# Allegro board MM851_V1.0_180330.brd (continued)
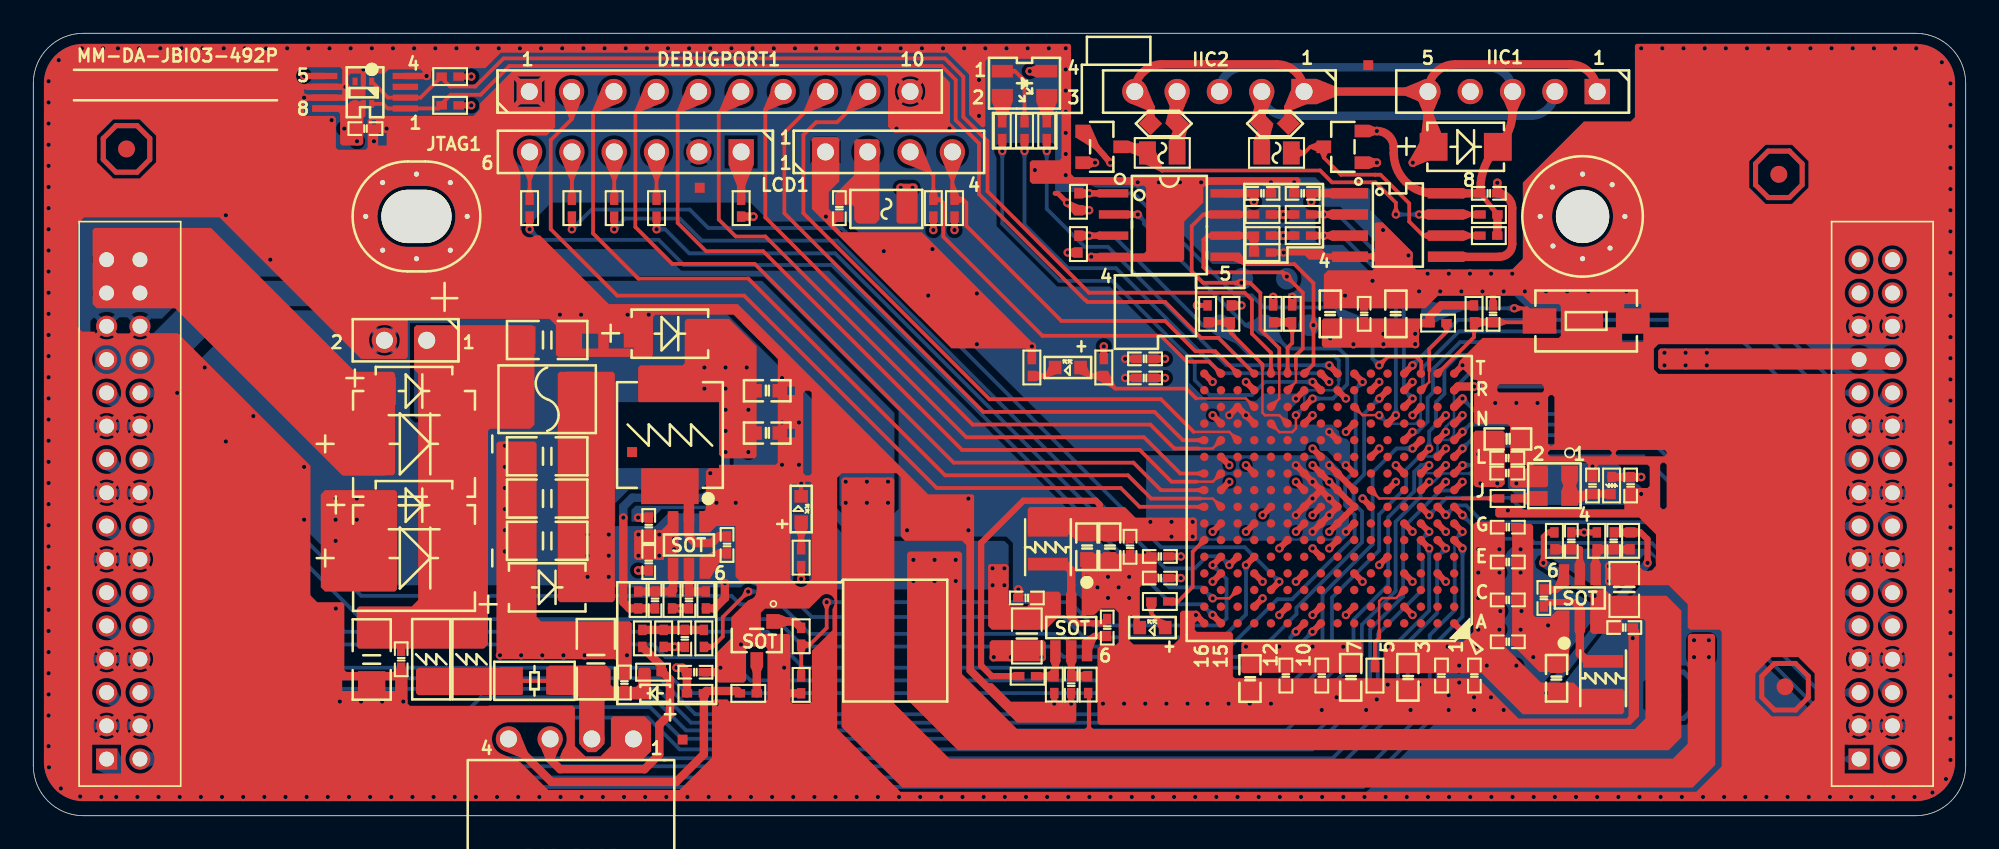
[diagram p0: board, top side]
## Routing (per net, layer and track width the routed paths; a pad name or vN(x,y) marks a point on that pad's centre or on a via; arc(x,y) is an arc through that point) (continued)
FPGA_DQ2: length 18.9
  TOP w0.152: U1.P12 74.79,25.06 74.79,26.84
  TOP w0.229: 74.79,26.84 74.79,28.08 73.66,29.21 73.66,31.4 73.04,32.01 v1(72.52,32.01) 70.22,32.01 69.54,32.7 69.54,35.42 70.24,36.12 U5.7 R28.2
FPGA_HSWAP: length 5.9
  TOP w0.152: U1.C4 81.81,13.07 80.97,13.07 80.79,12.89 80.79,11.11
  TOP w0.229: R9.2 80.54,10.42 80.79,10.67 80.79,11.11
FPGA_I2C_SCL: length 16.3
  TOP w0.229: R17.1 v1(77.48,34.85) U4.3
  TOP w0.381: U1.N5 v1(81.79,24.06)
  BOTTOM w0.229: v1(77.48,34.85) 78.56,34.85 81.79,31.62 v1(81.79,24.06)
FPGA_I2C_SDA: length 16.8
  TOP w0.229: U4.2 v1(77.48,36.12) R16.1
  TOP w0.381: U1.P4 v1(82.79,25.06)
  BOTTOM w0.229: v1(77.48,36.12) 78.31,36.12 82.27,32.15 82.27,25.58 v1(82.79,25.06)
FPGA_INIT: length 4.7
  TOP w0.152: 83.79,26.75 83.79,26.06 U1.R3
  TOP w0.229: R8.2 84.84,29.07 83.79,28.03 83.79,26.75
FPGA_M0: length 4.3
  TOP w0.229: R1.2 R2.2 75.57,28.39 75.29,28.12 U1.T11
FPGA_M1: length 9.4
  TOP w0.152: 73.79,26.83 73.79,24.21 73.94,24.06 74.79,24.06 U1.N11
  TOP w0.229: R5.2 R3.2 71.89,29 73.79,27.11 73.79,26.83
FPGA_PWM: length 34.4
  TOP w0.229: v1(47.62,12.83) 47.62,11.28 46.62,10.27 R22.2 R23.2
  TOP w0.381: U1.E15 v1(70.79,15.06)
  BOTTOM w0.229: v1(47.62,12.83) 62.23,12.83 63.63,11.43 71.21,11.43 71.63,11.85 71.63,14.22 v1(70.79,15.06)
FPGA_SCK: length 18.7
  TOP w0.152: 75.79,26.83 75.79,26.06 U1.R11
  TOP w0.229: R30.2 R29.1 U5.6 70.49,34.85 70.24,34.59 70.24,32.94 70.54,32.64 74.99,32.64 v1(75.25,32.38) 76.21,31.43 76.21,28.07 75.79,27.65 75.79,26.83
FPGA_SDI: length 11.6
  TOP w0.229: U1.T10 76.85,27.11 v1(76.85,29.46) 76.85,31.99 75.71,33.13 72.79,33.13 72.35,33.58 U5.5
ISO_I2C_SCL: length 14.7
  TOP w0.229: PS2.2 76.29,39.81 76.66,40.18 D2.3 77.47,39.53 78.5,38.51 80.55,38.51 80.55,38.5 80.88,38.5 82.59,36.79 82.59,35.69 83.44,34.85 U4.6 R14.1
ISO_I2C_SDA: length 23.8
  TOP w0.229: D1.3 66.51,40.18 PS1.2 66.88,39.62 67.75,38.76 77.25,38.76 77.96,38.05 80.57,38.05 81.79,36.82 v1(81.79,36.12) ; v1(83.19,36.12) U4.7 R15.1
  BOTTOM w0.229: v1(83.19,36.12) v1(81.79,36.12)
LCDSCL: length 25.1
  TOP w0.229: U1.T14 70.95,27.9 69.76,27.9 67.94,29.72 61.72,29.72 56.01,35.43 56.01,36.82 55.82,37.01 R41.1 55.17,37.13 LCD1.4
LCDSDA: length 26.2
  TOP w0.229: LCD1.3 54.03,38.48 R40.1 54.43,37.01 54.63,36.81 54.63,34.78 60.58,28.83 67.69,28.83 69.25,27.27 70.58,27.27 U1.T15
LED_BLUE: length 25.7
  TOP w0.229: R7.1 v1(60.84,39.93)
  TOP w0.381: U1.T8 78.29,26.56 v1(77.8,27.06)
  BOTTOM w0.229: v1(77.8,27.06) 71.62,27.06 64.51,34.17 63.12,34.17 60.84,36.46 v1(60.84,39.93)
LED_FPGA: length 4.9
  TOP w0.229: R12.1 68.72,12.87 69.6,13.75 69.6,15.86 U1.F16
LED_GREEN: length 29.6
  TOP w0.229: R6.1 v1(58.17,39.93)
  TOP w0.381: U1.R9 77.29,25.56 v1(76.79,26.06)
  BOTTOM w0.229: v1(58.17,39.93) 58.17,35.56 61.59,32.13 64.77,32.13 69.72,27.18 69.72,26.16 70.61,25.27 73.15,25.27 73.94,26.06 v1(76.79,26.06)
LED_RED: length 28.1
  TOP w0.229: R4.1 v1(59.5,39.93)
  TOP w0.381: U1.T9 v1(77.79,26.06)
  BOTTOM w0.229: v1(59.5,39.93) 59.5,35.49 62.1,32.89 64.99,32.89 71.3,26.58 77.27,26.58 v1(77.79,26.06)
PROG_B1: length 14.8
  TOP w0.229: U1.T2 86.49,28.75 R34.2 C36.2 90.34,29.64 SW1.2 89.66,30.48 v1(88.9,30.48)
  BOTTOM w0.229: TP7.1 84.2,30.48 v1(88.9,30.48)
RI_0: length 76.6
  TOP w0.381: U1.A10 v1(75.79,11.06)
  BOTTOM w0.229: DATA2.20 8.32,21.4 18.67,11.05 44.07,11.05 46.23,8.89 74.37,8.89 75.46,9.98 75.46,10.72 v1(75.79,11.06)
RI_1: length 93.3
  TOP w0.381: U1.G3 v1(83.79,17.06)
  BOTTOM w0.229: DATA2.9 5.4,10.4 8.78,10.4 14.48,4.7 26.74,4.7 27.93,5.89 36.9,5.89 38.8,3.99 76.76,3.99 80.71,7.94 80.71,10.9 83.39,13.58 83.39,15.32 83.17,15.54 83.17,16.44 v1(83.79,17.06)
RI_2: length 36.3
  TOP w0.381: U1.M4 v1(82.79,23.06)
  BOTTOM w0.229: v1(82.79,23.06) 83.09,23.06 83.7,23.67 83.7,25.1 84.02,25.43 84.02,26.82 85.65,28.45 102.67,28.45 108.71,22.4 110.6,22.4 DATA1.20
RI_3: length 29.5
  TOP w0.381: U1.K1 v1(85.79,21.06)
  BOTTOM w0.229: DATA1.9 108.23,11.4 97.41,22.23 88.14,22.23 86.97,21.06 v1(85.79,21.06)
RO_0: length 96.3
  TOP w0.381: U1.K2 v1(84.79,21.06)
  BOTTOM w0.152: 83.46,20.54 83.49,20.57 84.11,20.57 84.59,21.06 v1(84.79,21.06)
  BOTTOM w0.229: DATA2.11 5.4,12.4 9.95,12.4 16.38,5.97 25.73,5.97 26.87,7.11 37.2,7.11 39.18,5.13 75.23,5.13 79.76,9.65 79.76,11.47 81.78,13.49 81.78,17.65 83.27,19.15 83.27,20.36 83.46,20.54
RO_1: length 91.6
  TOP w0.381: U1.G1 v1(85.79,17.06)
  BOTTOM w0.152: 85.33,15.56 85.31,15.58 85.31,16.57 v1(85.79,17.06)
  BOTTOM w0.229: DATA2.2 10.7,3.4 11.43,2.67 25.77,2.67 26.14,2.3 79.51,2.3 83.83,6.61 83.83,10.84 85.33,12.34 85.33,15.56
RO_2: length 28.9
  TOP w0.381: U1.M1 v1(85.79,23.06)
  BOTTOM w0.229: DATA1.11 108.7,13.4 98.61,23.5 86.23,23.5 v1(85.79,23.06)
RO_3: length 34.8
  TOP w0.381: v1(84.79,18.06) 84.3,18.56 U1.H2
  BOTTOM w0.229: DATA1.2 110.6,4.4 109.01,4.4 108.33,5.08 108.33,6.35 97.05,17.63 87.02,17.63 86.01,18.64 85.38,18.64 v1(84.79,18.06)
TCK: length 45
  TOP w0.152: U1.C14 71.79,13.06 v1(70.79,13.06)
  TOP w0.229: R38.1 v1(37.41,35.23)
  BOTTOM w0.229: v1(70.79,13.06) 70.14,13.72 68.2,13.72 48.13,33.78 39.38,33.78 37.93,35.23 v1(37.41,35.23)
TDI: length 53.7
  TOP w0.229: R36.1 v1(32.33,35.23)
  TOP w0.381: v1(74.79,14.06) 74.29,13.56 U1.C12
  BOTTOM w0.229: v1(32.33,35.23) 33.51,36.41 39.41,36.41 40.51,35.31 48.51,35.31 67.69,16.13 72.72,16.13 v1(74.79,14.06)
TDO: length 47.9
  TOP w0.229: R37.1 v1(34.87,35.23)
  TOP w0.381: v1(71.79,15.06) U1.E14
  BOTTOM w0.229: v1(34.87,35.23) 35.52,35.87 38.8,35.87 40.13,34.54 48.26,34.54 67.94,14.86 69.72,14.86 70.45,15.59 71.26,15.59 v1(71.79,15.06)
TMP_SCL: length 68.9
  TOP w0.229: U2.1 21.29,43.13 U9.2 23.25,43.13 R10.2 24.51,44.31 25.02,43.8 26.54,43.8 28.23,45.49 54.72,45.49 54.99,45.22 55.83,44.39 55.83,41.97 57.28,40.52 57.28,37.51 63.37,31.42 72.72,31.42 73.15,30.99 73.15,28.96 74.29,27.81 U1.T12
TMP_SDA: length 65.1
  TOP w0.229: U1.T13 71.15,28.7 70.1,28.7 67.94,30.86 63.28,30.86 63.16,30.99 63.12,30.99 56.77,37.34 56.77,40.39 55.37,41.78 55.37,44.2 54.53,45.03 28.57,45.03 26.85,43.31 25.05,43.31 24.51,42.76 R11.2 24.32,42.48 U9.1 21.27,42.48 21,42.76 U2.6
TMS: length 52.1
  TOP w0.229: R35.1 v1(29.79,35.23)
  TOP w0.381: U1.A15 v1(70.79,12.06)
  BOTTOM w0.229: v1(70.79,12.06) 70.15,12.7 68.33,12.7 47.94,33.08 39.05,33.08 37.54,34.59 30.43,34.59 v1(29.79,35.23)
UART1_RX: length 30.5
  TOP w0.381: U1.T4 v1(82.79,27.06)
  BOTTOM w0.229: v1(82.79,27.06) 85.53,29.79 104.32,29.79 108.71,25.4 DATA1.23
UART1_TX: length 39.1
  TOP w0.152: v1(80.79,24.06) 79.79,24.06 U1.P7
  BOTTOM w0.152: v1(80.79,24.06) 81.31,23.54 82.96,23.54 83.28,23.86 83.28,25.41 83.42,25.55
  BOTTOM w0.229: DATA1.24 110.6,24.4 108.46,24.4 103.76,29.1 85.59,29.1 83.42,26.93 83.42,25.55
UART2_RX: length 95.2
  TOP w0.381: U1.R5 v1(80.8,25.06)
  BOTTOM w0.229: v1(80.8,25.06) 79.89,24.15 79.89,20.5 79.25,19.86 79.25,18.78 79.76,18.27 79.76,16.43 75.83,12.49 75.83,12.11 73.26,9.55 61.83,9.55 61.21,10.16 46.23,10.16 44.58,11.81 19.68,11.81 7.11,24.38 5.42,24.38 DATA2.23
UART2_TX: length 92.6
  TOP w0.381: U1.T7 v1(79.79,26.06)
  BOTTOM w0.229: v1(79.79,26.06) 79.38,25.64 79.38,20.75 78.75,20.11 78.75,18.65 79.32,18.08 79.32,16.75 75.56,13 74.68,13 71.84,10.16 62.48,10.16 61.72,10.92 46.61,10.92 44.83,12.7 42.42,12.7 41.91,13.21 19.68,13.21 7.49,25.4 DATA2.24
VFAN12V1: length 2.8
  TOP w0.254: R20.2 R20.1
VREF: length 2.9
  TOP w0.508: R39.2 JTAG1.1
N16802585: length 4.2
  TOP w0.381: FB1.2 C2.2 92.5,19.33 Y1.4 Y1.1
N16802779: length 1.9
  TOP w0.229: R12.2 67.12,12.14 67.44,11.82 67.44,11.8 67.94,11.3
N16806970: length 15.8
  TOP w0.508: FAN1.3 31.03,3.39 31.62,2.79 36.69,2.79 37.58,3.68 37.58,5.46 38.22,6.1 D7.1 38.22,8.11 38.22,8.11 38.22,8.18 37.78,8.62 R21.1 37.71,8.99 R24.2
N16807106: length 3.7
  TOP w0.508: R25.2 C34.2 R26.2 R24.1
N16808479: length 2.9
  TOP w0.229: R35.2 JTAG1.6
N16808481: length 2.9
  TOP w0.229: R36.2 JTAG1.5
N16808483: length 2.9
  TOP w0.229: R38.2 JTAG1.3
N16808485: length 2.9
  TOP w0.229: R37.2 JTAG1.4
N16808579: length 11.4
  TOP w0.152: U1.P13 72.78,25.07 69.8,25.07
  TOP w0.229: LED3.1 63.37,26.42 R32.2 64.26,26.35 64.96,25.65 69.22,25.65 69.8,25.07
N16810259: length 1.7
  TOP w0.381: LED4.1 R42.1
N16822661: length 1.4
  TOP w0.229: Y1.3 R13.2
N16899304: length 1.9
  TOP w0.508: R22.1 45.71,11.67 Q1.1
N16899716: length 2
  TOP w0.508: Q1.3 R19.2
N17049079: length 1.6
  TOP w0.229: R7.2 LED1.3
N17049112: length 4.1
  TOP w0.229: LED1.1 58.93,44.72 59.5,44.15 R4.2
N17049250: length 1.6
  TOP w0.229: R6.2 LED1.2
N17081806: length 1.6
  TOP w0.229: LED3.2 60.83,26.42 R33.1
N17097069: length 2.4
  TOP w0.508: U6.5 C45.2 R43.2
N17097175: length 6.6
  TOP w0.508: C42.1 41.12,16.77 40.73,16.38 39.73,16.38 39.36,16.76 U6.2
  TOP w0.635: U6.2 39.36,19.43 39,19.79 L1.1
N17097179: length 1.7
  TOP w0.508: U6.6 41.2,15.75 C42.2
N17097207: length 3.5
  TOP w0.508: R44.1 C48.2 R45.2 38.41,13.53 U6.4
N17102775: length 3.6
  TOP w0.381: R47.1 C54.2 R48.2 93.79,15.94 U7.4
N17102788: length 3
  TOP w0.381: U7.5 92.84,16 C52.2 R46.2
N17102894: length 6.7
  TOP w0.381: 92.84,12.45 92.46,12.83 90.93,12.83 C49.1
  TOP w0.508: L2.1 93.29,9.27 92.84,9.73 U7.2 92.84,12.45
N17102898: length 1.8
  TOP w0.381: C49.2 91.44,13.59 91.89,14.04 U7.6
N17105484: length 2.6
  TOP w0.381: R50.1 R51.2 61.36,8.45 U8.4
N17105499: length 2.5
  TOP w0.381: R49.2 C58.2 U8.5
N17105581: length 6.8
  TOP w0.381: C55.1 64.21,11.56 62.69,11.56 62.31,11.94
  TOP w0.508: 62.31,11.94 U8.2 62.31,14.73 61.93,15.11 60.91,15.11
N17105599: length 1.8
  TOP w0.381: C55.2 63.7,10.79 63.26,10.35 U8.6

## Copper pours and planes (outline as drawn; the poured copper is in the pictures)
GND on TOP (solid shape): 60.78,10.41 60.78,9.4 60.66,9.27 57.53,9.27 57.4,9.4 57.4,10.41 57.53,10.54 60.66,10.54
GND on TOP (solid shape): 90.04,17.4 90.04,12.06 90.17,11.94 91.06,11.94 91.44,12.32 92.2,12.32 92.2,8.76 92.08,8.64 90.42,8.64 88.77,10.29 88.77,17.53 89.92,17.53
GND on TOP (solid shape): 30.21,22.35 30.21,11.94 30.47,11.68 35.8,11.68 35.93,11.56 35.93,8.26 35.8,8.13 35.17,8.13 35.04,8.26 35.04,9.27 34.91,9.4 27.94,9.4 27.8,9.54 27.8,22.35 27.93,22.48 30.09,22.48
GND on TOP (solid shape): 48.39,40.64 48.39,38.1 47.75,37.47 47.75,36.45 47.88,36.32 48.39,36.32 48.51,36.2 48.51,35.69 48.26,35.69 48.13,35.56 48.13,35.43 48.51,35.05 53.34,35.05 60.2,28.19 60.2,27.3 60.07,27.18 59.82,27.18 59.69,27.3 59.69,27.94 59.56,28.07 55.12,28.07 46.74,36.45 46.74,40.64 46.86,40.77 48.26,40.77
GND on TOP (solid shape): 67.44,15.62 67.44,13.97 67.31,13.84 66.55,13.84 66.42,13.72 66.42,11.05 66.17,11.05 66.04,11.18 66.04,11.94 65.91,12.06 65.79,11.94 65.79,10.54 66.04,10.29 68.45,10.29 68.83,10.67 68.83,12.19 68.96,12.32 69.85,12.32 70.1,12.06 70.1,11.94 69.72,11.56 69.72,11.18 69.85,11.05 71.88,11.05 72.01,10.92 72.01,8.38 72.14,8.26 86.74,8.26 89.15,5.84 95.63,5.84 95.76,5.97 95.76,11.18 95.89,11.3 96.27,11.3 96.39,11.18 96.39,5.97 95.89,5.46 64.01,5.46 63.88,5.59 63.88,10.03 64.1,10.25 64.99,10.25 65.15,10.41 65.15,12.19 64.9,12.45 64.08,12.45 63.7,12.06 62.94,12.06 62.94,15.7 62.99,15.75 67.31,15.75
GND on TOP (solid shape): outline of 4981 points within 0.64,0.87 115.36,46.36
GND on BOTTOM (solid shape): 96.07,20.17 96.19,19.99 96.38,19.88 96.9,19.36 96.9,18.92 96.65,18.67 89.58,18.67 88.52,19.73 88.52,20.83 88.9,21.21 95.03,21.21
GND on BOTTOM (solid shape): outline of 4947 points within 0.64,0.87 115.36,46.36
GND on ART02 (solid shape): outline of 5346 points within 0.64,0.87 115.36,46.36
GND on ART03 (solid shape): outline of 16728 points within 0.64,0.87 115.36,46.36
GND_IIC on TOP (solid shape): 76.33,43.54 76.82,42.9 75.4,42.31 75.16,42.38 75.09,42.62 75.68,44.04
GND_IIC on TOP (solid shape): 78.4,43.72 78.52,43.5 78.4,43.28 77.04,42.74 76.22,43.5 77.04,44.26
GND_IIC on TOP (solid shape): 84.11,40.22 84.52,39.66 82.87,38.98 82.62,39.06 82.57,39.32 83.43,40.81
VCC1V2 on TOP (solid shape): 66.17,17.91 69.72,17.91 69.85,17.78 69.85,16.64 69.72,16.51 62.61,16.51 62.23,16.89 59.69,16.89 59.69,18.41 59.82,18.54 65.53,18.54
VCC1V2 on BOTTOM (solid shape): 78.41,20.83 78.41,18.5 78.97,17.94 78.97,16.92 78.96,16.88 78.59,16.51 67.81,16.51 67.27,17.06 70.39,17.06 70.39,17 70.4,16.94 70.42,16.89 70.45,16.84 70.48,16.79 70.52,16.75 70.57,16.72 70.62,16.69 70.67,16.67 70.72,16.66 70.78,16.65 70.84,16.65 70.89,16.66 70.95,16.68 71,16.7 71.05,16.74 71.09,16.77 71.12,16.82 71.15,16.87 71.18,16.92 71.19,16.97 71.2,17.03 71.2,17.06 72.39,17.06 72.39,17 72.4,16.94 72.42,16.89 72.45,16.84 72.48,16.79 72.52,16.75 72.57,16.72 72.62,16.69 72.67,16.67 72.72,16.66 72.78,16.65 72.84,16.65 72.89,16.66 72.95,16.68 73,16.7 73.05,16.74 73.09,16.77 73.12,16.82 73.15,16.87 73.18,16.92 73.19,16.97 73.2,17.03 73.2,17.06 75.39,17.06 75.39,17 75.4,16.94 75.42,16.89 75.45,16.84 75.48,16.79 75.52,16.75 75.57,16.72 75.62,16.69 75.67,16.67 75.72,16.66 75.78,16.65 75.84,16.65 75.89,16.66 75.95,16.68 76,16.7 76.05,16.74 76.09,16.77 76.12,16.82 76.15,16.87 76.18,16.92 76.19,16.97 76.2,17.03 76.2,17.06 77.39,17.06 77.39,17 77.4,16.94 77.42,16.89 77.45,16.84 77.48,16.79 77.52,16.75 77.57,16.72 77.62,16.69 77.67,16.67 77.72,16.66 77.78,16.65 77.84,16.65 77.89,16.66 77.95,16.68 78,16.7 78.05,16.74 78.09,16.77 78.12,16.82 78.15,16.87 78.18,16.92 78.19,16.97 78.2,17.03 78.2,17.09 78.19,17.14 78.18,17.2 78.15,17.25 78.12,17.3 78.09,17.34 78.05,17.38 78,17.41 77.95,17.43 77.89,17.45 77.84,17.46 77.78,17.46 77.72,17.46 77.67,17.44 77.62,17.42 77.57,17.39 77.52,17.36 77.48,17.32 77.45,17.27 77.42,17.22 77.4,17.17 77.39,17.11 77.39,17.06 76.2,17.06 76.2,17.09 76.19,17.14 76.18,17.2 76.15,17.25 76.12,17.3 76.09,17.34 76.05,17.38 76,17.41 75.95,17.43 75.89,17.45 75.84,17.46 75.78,17.46 75.72,17.46 75.67,17.44 75.62,17.42 75.57,17.39 75.52,17.36 75.48,17.32 75.45,17.27 75.42,17.22 75.4,17.17 75.39,17.11 75.39,17.06 73.2,17.06 73.2,17.09 73.19,17.14 73.18,17.2 73.15,17.25 73.12,17.3 73.09,17.34 73.05,17.38 73,17.41 72.95,17.43 72.89,17.45 72.84,17.46 72.78,17.46 72.72,17.46 72.67,17.44 72.62,17.42 72.57,17.39 72.52,17.36 72.48,17.32 72.45,17.27 72.42,17.22 72.4,17.17 72.39,17.11 72.39,17.06 71.2,17.06 71.2,17.09 71.19,17.14 71.18,17.2 71.15,17.25 71.12,17.3 71.09,17.34 71.05,17.38 71,17.41 70.95,17.43 70.89,17.45 70.84,17.46 70.78,17.46 70.72,17.46 70.67,17.44 70.62,17.42 70.57,17.39 70.52,17.36 70.48,17.32 70.45,17.27 70.42,17.22 70.4,17.17 70.39,17.11 70.39,17.06 67.27,17.06 66.8,17.53 66.8,18.06 73.39,18.06 73.39,18 73.4,17.94 73.42,17.89 73.45,17.84 73.48,17.79 73.52,17.75 73.57,17.72 73.62,17.69 73.67,17.67 73.72,17.66 73.78,17.65 73.84,17.65 73.89,17.66 73.95,17.68 74,17.7 74.05,17.74 74.09,17.77 74.12,17.82 74.15,17.87 74.18,17.92 74.19,17.97 74.2,18.03 74.2,18.06 76.39,18.06 76.39,18 76.4,17.94 76.42,17.89 76.45,17.84 76.48,17.79 76.52,17.75 76.57,17.72 76.62,17.69 76.67,17.67 76.72,17.66 76.78,17.65 76.84,17.65 76.89,17.66 76.95,17.68 77,17.7 77.05,17.74 77.09,17.77 77.12,17.82 77.15,17.87 77.18,17.92 77.19,17.97 77.2,18.03 77.2,18.09 77.19,18.14 77.18,18.2 77.15,18.25 77.12,18.3 77.09,18.34 77.05,18.38 77,18.41 76.95,18.43 76.89,18.45 76.84,18.46 76.78,18.46 76.72,18.46 76.67,18.44 76.62,18.42 76.57,18.39 76.52,18.36 76.48,18.32 76.45,18.27 76.42,18.22 76.4,18.17 76.39,18.11 76.39,18.06 74.2,18.06 74.2,18.09 74.19,18.14 74.18,18.2 74.15,18.25 74.12,18.3 74.09,18.34 74.05,18.38 74,18.41 73.95,18.43 73.89,18.45 73.84,18.46 73.78,18.46 73.72,18.46 73.67,18.44 73.62,18.42 73.57,18.39 73.52,18.36 73.48,18.32 73.45,18.27 73.42,18.22 73.4,18.17 73.39,18.11 73.39,18.06 66.8,18.06 66.8,20.06 71.39,20.06 71.39,20 71.4,19.94 71.42,19.89 71.45,19.84 71.48,19.79 71.52,19.75 71.57,19.72 71.62,19.69 71.67,19.67 71.72,19.66 71.78,19.65 71.84,19.65 71.89,19.66 71.95,19.68 72,19.7 72.05,19.74 72.09,19.77 72.12,19.82 72.15,19.87 72.18,19.92 72.19,19.97 72.2,20.03 72.2,20.06 75.39,20.06 75.39,20 75.4,19.94 75.42,19.89 75.45,19.84 75.48,19.79 75.52,19.75 75.57,19.72 75.62,19.69 75.67,19.67 75.72,19.66 75.78,19.65 75.84,19.65 75.89,19.66 75.95,19.68 76,19.7 76.05,19.74 76.09,19.77 76.12,19.82 76.15,19.87 76.18,19.92 76.19,19.97 76.2,20.03 76.2,20.06 77.39,20.06 77.39,20 77.4,19.94 77.42,19.89 77.45,19.84 77.48,19.79 77.52,19.75 77.57,19.72 77.62,19.69 77.67,19.67 77.72,19.66 77.78,19.65 77.84,19.65 77.89,19.66 77.95,19.68 78,19.7 78.05,19.74 78.09,19.77 78.12,19.82 78.15,19.87 78.18,19.92 78.19,19.97 78.2,20.03 78.2,20.09 78.19,20.14 78.18,20.2 78.15,20.25 78.12,20.3 78.09,20.34 78.05,20.38 78,20.41 77.95,20.43 77.89,20.45 77.84,20.46 77.78,20.46 77.72,20.46 77.67,20.44 77.62,20.42 77.57,20.39 77.52,20.36 77.48,20.32 77.45,20.27 77.42,20.22 77.4,20.17 77.39,20.11 77.39,20.06 76.2,20.06 76.2,20.09 76.19,20.14 76.18,20.2 76.15,20.25 76.12,20.3 76.09,20.34 76.05,20.38 76,20.41 75.95,20.43 75.89,20.45 75.84,20.46 75.78,20.46 75.72,20.46 75.67,20.44 75.62,20.42 75.57,20.39 75.52,20.36 75.48,20.32 75.45,20.27 75.42,20.22 75.4,20.17 75.39,20.11 75.39,20.06 72.2,20.06 72.2,20.09 72.19,20.14 72.18,20.2 72.15,20.25 72.12,20.3 72.09,20.34 72.05,20.38 72,20.41 71.95,20.43 71.89,20.45 71.84,20.46 71.78,20.46 71.72,20.46 71.67,20.44 71.62,20.42 71.57,20.39 71.52,20.36 71.48,20.32 71.45,20.27 71.42,20.22 71.4,20.17 71.39,20.11 71.39,20.06 66.8,20.06 66.8,21.06 71.39,21.06 71.39,21 71.4,20.94 71.42,20.89 71.45,20.84 71.48,20.79 71.52,20.75 71.57,20.72 71.62,20.69 71.67,20.67 71.72,20.66 71.78,20.65 71.84,20.65 71.89,20.66 71.95,20.68 72,20.7 72.05,20.74 72.09,20.77 72.12,20.82 72.15,20.87 72.18,20.92 72.19,20.97 72.2,21.03 72.2,21.06 72.39,21.06 72.39,21 72.4,20.94 72.42,20.89 72.45,20.84 72.48,20.79 72.52,20.75 72.57,20.72 72.62,20.69 72.67,20.67 72.72,20.66 72.78,20.65 72.84,20.65 72.89,20.66 72.95,20.68 73,20.7 73.05,20.74 73.09,20.77 73.12,20.82 73.15,20.87 73.18,20.92 73.19,20.97 73.2,21.03 73.2,21.06 76.39,21.06 76.39,21 76.4,20.94 76.42,20.89 76.45,20.84 76.48,20.79 76.52,20.75 76.57,20.72 76.62,20.69 76.67,20.67 76.72,20.66 76.78,20.65 76.84,20.65 76.89,20.66 76.95,20.68 77,20.7 77.05,20.74 77.09,20.77 77.12,20.82 77.15,20.87 77.18,20.92 77.19,20.97 77.2,21.03 77.2,21.09 77.19,21.14 77.18,21.2 77.15,21.25 77.12,21.3 77.09,21.34 77.05,21.38 77,21.41 76.95,21.43 76.89,21.45 76.84,21.46 76.78,21.46 76.72,21.46 76.67,21.44 76.62,21.42 76.57,21.39 76.52,21.36 76.48,21.32 76.45,21.27 76.42,21.22 76.4,21.17 76.39,21.11 76.39,21.06 73.2,21.06 73.2,21.09 73.19,21.14 73.18,21.2 73.15,21.25 73.12,21.3 73.09,21.34 73.05,21.38 73,21.41 72.95,21.43 72.89,21.45 72.84,21.46 72.78,21.46 72.72,21.46 72.67,21.44 72.62,21.42 72.57,21.39 72.52,21.36 72.48,21.32 72.45,21.27 72.42,21.22 72.4,21.17 72.39,21.11 72.39,21.06 72.2,21.06 72.2,21.09 72.19,21.14 72.18,21.2 72.15,21.25 72.12,21.3 72.09,21.34 72.05,21.38 72,21.41 71.95,21.43 71.89,21.45 71.84,21.46 71.78,21.46 71.72,21.46 71.67,21.44 71.62,21.42 71.57,21.39 71.52,21.36 71.48,21.32 71.45,21.27 71.42,21.22 71.4,21.17 71.39,21.11 71.39,21.06 66.8,21.06 66.8,21.52 66.93,21.65 76.75,21.65 76.84,21.65 77.59,21.65
VCC3V3 on TOP (solid shape): 53.09,37.85 53.09,35.69 52.96,35.56 51.94,35.56 51.82,35.69 51.82,37.85 51.94,37.97 52.96,37.97
VCC3V3 on TOP (solid shape): 83.36,29.84 84.07,29.84 84.07,29.34 83.31,29.34 83.19,29.21 83.19,28.19 83.11,28.12 77.48,28.12 77.35,28.24 77.35,29.77 77.45,29.87 83.34,29.87
VCC3V3 on TOP (solid shape): 19.94,42.04 19.81,41.91 19.81,40.39 19.68,40.26 18.54,40.26 18.41,40.39 18.41,42.16 18.29,42.29 16.76,42.29 16.76,42.67 18.8,42.67 19.05,42.93 19.94,42.93
VCC3V3 on TOP (solid shape): 43.42,28.19 43.42,21.59 43.29,21.46 41.39,21.46 41.16,21.69 41.16,24.84 36.36,24.84 36.31,24.89 36.31,26.92 36.44,27.05 38.98,27.05 39.1,27.18 39.1,29.21 39.11,29.22 39.11,29.71 39.24,29.84 41.77,29.84
VCC3V3 on ART02 (solid shape): outline of 7751 points within 15.24,7.24 91.57,45.47
VCC12V on TOP (solid shape): 34.91,26.54 34.91,15.25 34.91,15.24 34.91,12.95 34.78,12.83 31.61,12.83 31.48,12.95 31.48,26.54 31.61,26.67 34.78,26.67
VCC12V on TOP (solid shape): 38.72,18.16 38.72,15.88 38.58,15.73 37.86,15.73 37.86,15.39 37.83,15.37 36.2,15.37 36.07,15.49 36.07,17.02 36.2,17.14 37.71,17.14 38.09,17.53 38.09,18.16 38.21,18.29 38.59,18.29
VCC12V on TOP (solid shape): 58.55,14.99 58.55,12.7 58.67,12.57 59.69,12.57 59.69,12.62 59.77,12.7 59.77,13.34 59.89,13.46 61.54,13.46 61.67,13.34 61.67,12.06 60.78,11.18 57.53,11.18 57.32,11.39 57.32,15.02 57.4,15.11 58.42,15.11
VCC12V on TOP (solid shape): 55.75,15.75 55.75,8.51 59.05,5.21 63.12,5.21 63.25,5.33 63.25,7.62 63.5,7.62 63.5,5.33 63.63,5.21 96.14,5.21 96.77,5.84 96.77,11.68 96.65,11.81 95.38,11.81 95.38,11.05 95.25,10.92 93.6,10.92 93.47,11.05 93.47,13.46 93.6,13.59 94.36,13.59 94.74,13.21 98.04,13.21 98.93,12.32 98.93,4.7 98.17,3.94 55.5,3.94 52.45,6.99 52.45,15.75 52.58,15.88 55.63,15.88
VCC12V on BOTTOM (solid shape): 49.02,16.51 58.29,16.51 58.55,16.26 58.55,13.72 58.42,13.59 45.68,13.59 45.47,13.81 43.35,13.81 43.11,13.9 43.08,13.91 43.02,13.93 42.96,13.94 42.9,13.95 42.83,13.94 42.77,13.92 42.71,13.9 42.66,13.87 42.6,13.84 42.56,13.79 42.52,13.74 42.5,13.72 33.02,13.72 32.89,13.84 32.89,14.24 45.61,14.24 45.61,14.18 45.62,14.12 45.64,14.06 45.67,14 45.7,13.95 45.74,13.9 45.78,13.86 45.83,13.82 45.88,13.79 45.94,13.76 46,13.75 46.06,13.74 46.13,13.74 46.19,13.75 46.25,13.76 46.3,13.79 46.36,13.82 46.41,13.86 46.45,13.9 46.49,13.95 46.52,14 46.55,14.06 46.57,14.12 46.58,14.18 46.58,14.24 46.57,14.3 46.56,14.36 46.54,14.42 46.51,14.47 46.47,14.53 46.43,14.57 46.38,14.61 46.33,14.65 46.28,14.67 46.22,14.69 46.16,14.7 46.09,14.71 46.03,14.7 45.97,14.69 45.91,14.67 45.86,14.65 45.81,14.61 45.76,14.57 45.72,14.53 45.68,14.47 45.65,14.42 45.63,14.36 45.62,14.3 45.61,14.24 32.89,14.24 32.89,14.73 35.82,14.73 35.83,14.67 35.84,14.61 35.86,14.55 35.89,14.49 35.92,14.44 35.96,14.4 36.01,14.35 36.06,14.32 36.11,14.29 36.17,14.27 36.23,14.25 36.29,14.25 36.36,14.25 36.42,14.26 36.48,14.28 36.53,14.3 36.59,14.34 36.63,14.37 36.68,14.42 36.71,14.47 36.74,14.52 36.77,14.58 36.78,14.64 36.79,14.7 36.79,14.76 36.78,14.82 36.77,14.88 36.74,14.94 36.71,15 36.68,15.05 36.63,15.09 36.59,15.13 36.53,15.16 36.48,15.19 36.42,15.2 36.36,15.21 36.29,15.22 36.23,15.21 36.17,15.2 36.11,15.17 36.06,15.15 36.01,15.11 35.96,15.07 35.92,15.02 35.89,14.97 35.86,14.91 35.84,14.85 35.83,14.79 35.82,14.73 32.89,14.73 32.89,17.27 33.02,17.4 37.34,17.4 38.1,18.16 47.37,18.16
VCC12VIN on TOP (solid shape): 30.09,29.34 30.09,23.5 29.83,23.24 27.42,23.24 27.29,23.11 27.29,10.29 27.04,10.03 22.34,10.03 22.08,9.78 21.83,10.03 19.54,10.03 19.42,10.16 19.42,12.45 19.54,12.57 22.72,12.57 23.1,12.95 23.1,26.56 22.86,26.8 22.86,29.34 22.99,29.46 29.96,29.46
VCC12VIN on BOTTOM (solid shape): 25.4,29.21 25.4,24.13 25.15,23.88 22.99,23.88 22.86,24 22.86,29.29 22.87,29.32 22.91,29.34 25.27,29.34
VCC12VIN_1 on TOP (solid shape): 21.83,19.43 21.83,13.59 21.7,13.46 17.51,13.46 17.26,13.72 17.26,19.3 17.51,19.56 21.7,19.56
VCC12VIN_1 on ART02 (solid shape): 112.9,35.94 112.9,30.73 112.65,30.48 108.58,30.48 108.46,30.35 108.46,2.41 107.95,1.91 26.04,1.91 23.28,4.66 27.53,4.66 27.53,4.57 27.54,4.48 27.56,4.39 27.58,4.31 27.61,4.22 27.65,4.14 27.7,4.07 27.75,3.99 27.81,3.93 27.87,3.87 27.94,3.81 28.02,3.76 28.09,3.72 28.18,3.68 28.26,3.66 28.35,3.64 28.44,3.62 28.53,3.62 28.61,3.62 28.7,3.64 28.79,3.66 28.87,3.68 28.96,3.72 29.03,3.76 29.11,3.81 29.18,3.87 29.24,3.93 29.3,3.99 29.35,4.07 29.4,4.14 29.44,4.22 29.47,4.31 29.49,4.39 29.51,4.48 29.52,4.57 29.52,4.66 30.03,4.66 30.03,4.57 30.04,4.48 30.06,4.39 30.08,4.31 30.11,4.22 30.15,4.14 30.2,4.07 30.25,3.99 30.31,3.93 30.37,3.87 30.44,3.81 30.52,3.76 30.6,3.72 30.68,3.68 30.76,3.66 30.85,3.64 30.94,3.62 31.03,3.62 31.11,3.62 31.2,3.64 31.29,3.66 31.37,3.68 31.46,3.72 31.53,3.76 31.61,3.81 31.68,3.87 31.74,3.93 31.8,3.99 31.85,4.07 31.9,4.14 31.94,4.22 31.97,4.31 31.99,4.39 32.01,4.48 32.02,4.57 32.02,4.66 32.53,4.66 32.53,4.57 32.54,4.48 32.56,4.39 32.58,4.31 32.61,4.22 32.65,4.14 32.7,4.07 32.75,3.99 32.81,3.93 32.87,3.87 32.94,3.81 33.02,3.76 33.09,3.72 33.18,3.68 33.26,3.66 33.35,3.64 33.44,3.62 33.53,3.62 33.61,3.62 33.7,3.64 33.79,3.66 33.87,3.68 33.96,3.72 34.03,3.76 34.11,3.81 34.18,3.87 34.24,3.93 34.3,3.99 34.35,4.07 34.4,4.14 34.44,4.22 34.47,4.31 34.49,4.39 34.51,4.48 34.52,4.57 34.52,4.66 35.03,4.66 35.03,4.57 35.04,4.48 35.06,4.39 35.08,4.31 35.11,4.22 35.15,4.14 35.2,4.07 35.25,3.99 35.31,3.93 35.37,3.87 35.44,3.81 35.52,3.76 35.6,3.72 35.68,3.68 35.76,3.66 35.85,3.64 35.94,3.62 36.03,3.62 36.11,3.62 36.2,3.64 36.29,3.66 36.37,3.68 36.46,3.72 36.53,3.76 36.61,3.81 36.68,3.87 36.74,3.93 36.8,3.99 36.85,4.07 36.9,4.14 36.94,4.22 36.97,4.31 36.99,4.39 37.01,4.48 37.02,4.57 37.02,4.66 37.01,4.75 36.99,4.83 36.97,4.92 36.94,5 36.9,5.08 36.85,5.16 36.8,5.23 36.74,5.3 36.68,5.36 36.61,5.41 36.53,5.46 36.46,5.51 36.37,5.54 36.29,5.57 36.2,5.59 36.11,5.6 36.03,5.6 35.94,5.6 35.85,5.59 35.76,5.57 35.68,5.54 35.6,5.51 35.52,5.46 35.44,5.41 35.37,5.36 35.31,5.3 35.25,5.23 35.2,5.16 35.15,5.08 35.11,5 35.08,4.92 35.06,4.83 35.04,4.75 35.03,4.66 34.52,4.66 34.51,4.75 34.49,4.83 34.47,4.92 34.44,5 34.4,5.08 34.35,5.16 34.3,5.23 34.24,5.3 34.18,5.36 34.11,5.41 34.03,5.46 33.96,5.51 33.87,5.54 33.79,5.57 33.7,5.59 33.61,5.6 33.53,5.6 33.44,5.6 33.35,5.59 33.26,5.57 33.18,5.54 33.09,5.51 33.02,5.46 32.94,5.41 32.87,5.36 32.81,5.3 32.75,5.23 32.7,5.16 32.65,5.08 32.61,5 32.58,4.92 32.56,4.83 32.54,4.75 32.53,4.66 32.02,4.66 32.01,4.75 31.99,4.83 31.97,4.92 31.94,5 31.9,5.08 31.85,5.16 31.8,5.23 31.74,5.3 31.68,5.36 31.61,5.41 31.53,5.46 31.46,5.51 31.37,5.54 31.29,5.57 31.2,5.59 31.11,5.6 31.03,5.6 30.94,5.6 30.85,5.59 30.76,5.57 30.68,5.54 30.6,5.51 30.52,5.46 30.44,5.41 30.37,5.36 30.31,5.3 30.25,5.23 30.2,5.16 30.15,5.08 30.11,5 30.08,4.92 30.06,4.83 30.04,4.75 30.03,4.66 29.52,4.66 29.51,4.75 29.49,4.83 29.47,4.92 29.44,5 29.4,5.08 29.35,5.16 29.3,5.23 29.24,5.3 29.18,5.36 29.11,5.41 29.03,5.46 28.96,5.51 28.87,5.54 28.79,5.57 28.7,5.59 28.61,5.6 28.53,5.6 28.44,5.6 28.35,5.59 28.26,5.57 28.18,5.54 28.09,5.51 28.02,5.46 27.94,5.41 27.87,5.36 27.81,5.3 27.75,5.23 27.7,5.16 27.65,5.08 27.61,5 27.58,4.92 27.56,4.83 27.54,4.75 27.53,4.66 23.28,4.66 22.73,5.21 22.73,10.41 17.27,15.88 17.27,19.05 17.78,19.56 21.59,19.56 27.43,13.72 27.43,9.27 28.19,8.51 36.96,8.51 39.62,5.84 102.49,5.84 103,6.35 103,35.81 103.5,36.32 112.52,36.32
VCC12VIN_2 on TOP (solid shape): 19.3,26.67 21.59,26.67 21.72,26.54 21.72,20.57 21.59,20.45 18.54,20.45 8.51,30.48 3.81,30.48 3.56,30.73 3.56,35.18 3.68,35.31 10.67,35.31
VCCIO on TOP (solid shape): 79.8,10.29 79.8,8.67 79.71,8.58 72.57,8.58 72.52,8.64 72.52,10.34 72.64,10.47 79.62,10.47
VCCIO on TOP (solid shape): 111.89,27.94 111.89,26.92 111.76,26.8 97.66,26.8 97.54,26.92 97.54,27.94 97.66,28.07 111.76,28.07
VCCIO on TOP (solid shape): 88.33,23.01 88.33,19.92 88.15,19.74 86.58,19.74 86.45,19.87 86.45,23.01 86.58,23.14 88.21,23.14
VCCIO on TOP (solid shape): 51.69,20.19 51.69,6.73 54.99,3.43 98.42,3.43 99.31,4.32 99.31,10.79 99.44,10.92 100.84,10.92 100.97,10.79 100.97,3.05 99.61,1.69 52.16,1.69 48.51,5.33 48.51,20.19 48.64,20.32 51.56,20.32
VCCIO on TOP (solid shape): 88.33,17.59 88.33,10.16 90.49,8 92.46,8 92.84,7.62 95.38,7.62 95.5,7.49 95.5,6.22 95.38,6.1 89.41,6.1 86.95,8.56 81.17,8.56 81.07,8.66 81.06,8.68 81.05,8.7 81.05,10.11 81.06,10.11 81.06,10.26 81.06,10.28 81.07,10.3 81.24,10.47 85.86,10.47 86.45,11.06 86.45,17.49 86.61,17.65 88.28,17.65
VCCIO on BOTTOM (solid shape): 51.69,24.19 51.69,18.54 51.56,18.41 48.64,18.41 48.39,18.67 48.39,23.75 41.53,30.61 12.19,30.61 7.75,26.16 6.81,26.16 6.4,26.27 5.99,26.16 4.81,26.16 4.41,26.27 4,26.17 3.99,26.16 3.81,26.16 3.68,26.29 3.68,28.45 3.81,28.57 4.15,28.57 4.15,28.57 4.4,28.54 4.65,28.57 4.66,28.57 6.15,28.57 6.15,28.57 6.62,28.56 7.02,28.8 10.35,32.13 43.75,32.13
VCCIO on ART02 (solid shape): outline of 2604 points within 72.52,8.64 100.84,28.07
DI_1 on BOTTOM (solid shape): 5.96,1.99 5.93,1.87 5.81,1.84 3.77,2.77 4.38,3.42 5.04,4.04
VFAN12V1 on TOP (solid shape): 29.32,7.24 23.1,7.24 22.97,7.37 22.97,8.76 23.1,8.89 29.32,8.89
VFAN12V1 on TOP (solid shape): 34.66,8.76 34.66,7.87 34.78,7.75 36.18,7.75 36.31,7.87 36.31,8.76 36.44,8.89 36.94,8.89 37.07,8.76 37.07,7.11 36.94,6.99 34.42,6.99 34.29,6.86 34.29,4.32 33.78,3.81 33.27,3.81 32.77,4.32 32.77,7.11 32.65,7.23 32.38,7.23 32.37,7.24 30.97,7.24 30.85,7.37 30.85,8.89 30.97,9.02 34.4,9.02
VREF on TOP (solid shape): 43.25,39.11 42.71,37.75 42.49,37.63 42.28,37.75 41.73,39.11 42.49,39.94
N16809477 on TOP (solid shape): 50.8,40.51 50.8,35.81 50.55,35.56 49.53,35.56 49.28,35.81 49.28,36.58 49.15,36.7 48.26,36.7 48.13,36.83 48.13,37.34 49.28,38.48 49.28,40.51 49.4,40.64 50.67,40.64
GND_IIC on TOP (solid shape): 64,40.23 63.95,40.04 63.74,40.01 62.55,40.75 62.96,41.17 63.44,41.51
GND_IIC on TOP (solid shape): 67.29,42.66 67.24,42.38 66.96,42.33 65.83,42.8 66.08,43.54 66.83,43.79
GND_IIC on TOP (solid shape): 83.48,42.36 83.69,42.54 83.94,42.42 84.58,40.88 84.07,40.12 83.3,40.79
GND_IIC on TOP (solid shape): 83.78,43.5 83.43,42.8 82.3,43.27 82.14,43.5 82.3,43.73 83.43,44.2
GND_IIC on TOP (solid shape): 84.43,43.21 83.96,42.08 83.72,41.92 83.49,42.08 83.02,43.21 83.72,43.56
AUC_VIN on TOP (solid shape): 89.44,43.21 89.04,42.22 88.8,42.07 88.57,42.22 88.16,43.21 88.8,43.56
CI_0 on BOTTOM (solid shape): 7.81,17.51 7.88,17.4 7.81,17.3 6.64,16.81 6.37,17.4 6.64,17.99
CI_1 on BOTTOM (solid shape): 5.47,6.48 5.44,6.36 5.32,6.33 4.16,6.81 4.38,7.42 4.99,7.64
CI_2 on BOTTOM (solid shape): 110.53,18.32 110.56,18.44 110.68,18.47 111.84,17.99 111.62,17.38 111.01,17.16
CI_3 on BOTTOM (solid shape): 109.63,7.4 109.36,6.96 108.54,7.3 108.47,7.4 108.54,7.51 109.36,7.84
CO_0 on BOTTOM (solid shape): 5.47,16.48 5.44,16.36 5.32,16.33 4.16,16.81 4.38,17.42 4.99,17.64
CO_1 on BOTTOM (solid shape): 7.81,7.51 7.88,7.4 7.81,7.3 6.64,6.81 6.37,7.4 6.64,7.99
CO_2 on BOTTOM (solid shape): 109.63,17.4 109.36,16.96 108.54,17.3 108.47,17.4 108.54,17.51 109.36,17.85
CO_3 on BOTTOM (solid shape): 110.53,8.32 110.56,8.44 110.68,8.47 111.84,7.99 111.62,7.38 111.01,7.16
DEBUG_P2 on TOP (solid shape): 33,43.21 32.42,41.79 32.31,41.72 32.21,41.79 31.62,43.21 32.31,43.53
DEBUG_P3 on TOP (solid shape): 34.87,43.52 35.14,42.8 33.7,42.2 33.57,42.22 33.55,42.35 34.15,43.79
DEBUG_P4 on TOP (solid shape): 37.41,43.52 37.68,42.8 36.24,42.2 36.11,42.22 36.09,42.35 36.69,43.79
DEBUG_P5 on TOP (solid shape): 39.95,43.52 40.22,42.8 38.78,42.2 38.65,42.22 38.63,42.35 39.23,43.79
DEBUG_P6 on TOP (solid shape): 42.49,43.52 42.76,42.8 41.32,42.2 41.19,42.22 41.17,42.35 41.77,43.79
DEBUG_P7 on TOP (solid shape): 45.03,43.52 45.25,42.85 43.99,42.32 43.86,42.35 43.84,42.47 44.36,43.74
DEBUG_P8 on TOP (solid shape): 47.57,43.52 47.84,42.8 46.4,42.2 46.27,42.22 46.25,42.35 46.85,43.79
DEBUG_P9 on TOP (solid shape): 50.11,43.52 50.38,42.8 48.94,42.2 48.81,42.22 48.79,42.35 49.39,43.79
DI_0 on BOTTOM (solid shape): 7.81,13.51 7.88,13.4 7.81,13.3 6.64,12.81 6.37,13.4 6.64,13.99
DI_2 on BOTTOM (solid shape): 110.53,14.32 110.56,14.44 110.68,14.47 111.84,13.99 111.62,13.38 111.01,13.16
DO_0 on BOTTOM (solid shape): 5.47,20.48 5.44,20.36 5.32,20.33 4.16,20.81 4.38,21.42 4.99,21.64
DO_1 on BOTTOM (solid shape): 7.81,11.51 7.88,11.4 7.81,11.3 6.64,10.81 6.37,11.4 6.64,11.99
DO_2 on BOTTOM (solid shape): 109.63,21.4 109.36,20.81 108.2,21.3 108.13,21.4 108.2,21.51 109.36,21.99
DO_3 on BOTTOM (solid shape): 110.53,12.32 110.56,12.44 110.68,12.47 111.84,11.99 111.62,11.38 111.01,11.16
FAN_PWM on TOP (solid shape): 29.7,3.77 29.64,3.49 29.37,3.44 28.23,3.91 28.48,4.66 29.23,4.9
FP_I2C_SCL on TOP (solid shape): 73.55,41.29 73.74,41.38 73.94,41.29 74.25,40.51 73.74,39.75 73.23,40.51
FP_I2C_SCL on TOP (solid shape): 74.45,43.21 73.98,42.08 73.74,41.92 73.51,42.08 73.04,43.21 73.74,43.56
FP_I2C_SCL on TOP (solid shape): 73.51,43.38 73.79,43.54 74,43.29 73.74,42.29 73.74,41.51 73.03,41.58
FP_I2C_SCL on TOP (solid shape): 74.45,41.58 73.98,39.77 73.69,39.62 73.49,39.87 73.74,40.87 73.74,41.64
FP_I2C_SDA on TOP (solid shape): 68.47,41.29 68.66,41.38 68.86,41.29 69.17,40.51 68.66,39.75 68.15,40.51
FP_I2C_SDA on TOP (solid shape): 69.37,43.21 68.9,42.08 68.66,41.92 68.43,42.08 67.96,43.21 68.66,43.56
FP_I2C_SDA on TOP (solid shape): 68.43,43.38 68.71,43.54 68.92,43.29 68.66,42.29 68.66,41.51 67.95,41.58
FP_I2C_SDA on TOP (solid shape): 69.37,41.58 68.9,39.77 68.61,39.62 68.41,39.87 68.66,40.87 68.66,41.64
FP_I2C_SDA on ART03 (solid shape): 69.83,42.66 69.78,42.38 69.5,42.33 68.37,42.8 68.62,43.54 69.37,43.79
FP_I2C_SDA on ART03 (solid shape): 86.31,43.54 86.55,42.8 85.42,42.33 85.14,42.38 85.09,42.66 85.56,43.79
FPGA_CS on BOTTOM (solid shape): 78.15,30.41 78.18,30.53 78.3,30.56 79.5,30.06 79.27,29.44 78.65,29.22
FPGA_DQ0 on BOTTOM (solid shape): 73.94,29.46 73.67,28.97 72.73,29.36 72.66,29.46 72.73,29.57 73.67,29.96
FPGA_DQ0 on BOTTOM (solid shape): 75.01,28.52 74.98,28.39 74.86,28.37 73.67,28.86 73.89,29.48 74.51,29.71
FPGA_DQ1 on BOTTOM (solid shape): 71.28,29.46 71,29.01 70.16,29.36 70.09,29.46 70.16,29.57 71,29.92
FPGA_DQ1 on BOTTOM (solid shape): 72.34,28.52 72.32,28.39 72.19,28.37 71,28.86 71.23,29.48 71.85,29.71
FPGA_I2C_SCL on TOP (solid shape): 79.07,34.85 77.97,34.53 77.41,34.75 77.36,34.85 77.41,34.94 77.97,35.16
FPGA_I2C_SDA on TOP (solid shape): 79.07,36.12 77.97,35.8 77.41,36.02 77.36,36.12 77.41,36.21 77.97,36.43
FPGA_SDI on TOP (solid shape): 72.89,33.18 72.88,33.06 72.76,33.02 71.62,33.49 71.52,33.59 72.44,33.83
ISO_I2C_SCL on TOP (solid shape): 86.42,34.94 86.47,34.85 86.42,34.75 85.86,34.53 84.76,34.85 85.86,35.16
ISO_I2C_SDA on TOP (solid shape): 84.81,36.12 83.71,35.8 83.15,36.02 83.1,36.12 83.15,36.21 83.71,36.43
ISO_I2C_SDA on TOP (solid shape): 86.42,36.21 86.47,36.12 86.42,36.02 85.86,35.8 84.76,36.12 85.86,36.43
ISO_I2C_SDA on TOP (solid shape): 66.91,39.81 66.44,39.58 65.23,40.08 65.17,40.2 65.26,40.29 66.48,40.41
ISO_I2C_SDA on TOP (solid shape): 67.86,38.79 67.83,38.67 67.7,38.65 66.48,39.27 66.87,39.83 67.25,40.26
LCDSCL on TOP (solid shape): 55.88,39.58 55.28,38.14 55.17,38.07 55.07,38.14 54.47,39.58 55.17,39.9
LCDSDA on TOP (solid shape): 53.93,38.72 53.91,38.6 53.79,38.57 52.34,39.17 52.61,39.9 53.34,40.17
PROG_B1 on BOTTOM (solid shape): 85.83,30.59 85.93,30.49 85.86,30.37 84.2,29.69 83.92,30.22 84.17,30.81
RI_0 on BOTTOM (solid shape): 7.81,21.51 7.88,21.4 7.81,21.3 6.64,20.81 6.37,21.4 6.64,21.99
RI_1 on BOTTOM (solid shape): 5.47,10.48 5.44,10.36 5.32,10.33 4.16,10.81 4.38,11.42 4.99,11.64
RI_2 on BOTTOM (solid shape): 110.53,22.32 110.56,22.44 110.68,22.47 111.84,21.99 111.62,21.38 111.01,21.16
RI_3 on BOTTOM (solid shape): 109.63,11.4 109.36,10.81 108.2,11.3 108.13,11.4 108.2,11.51 109.36,11.99
RO_0 on BOTTOM (solid shape): 5.47,12.48 5.44,12.36 5.32,12.33 4.16,12.81 4.38,13.42 4.99,13.64
RO_1 on BOTTOM (solid shape): 7.81,3.51 7.88,3.4 7.81,3.3 6.64,2.81 6.37,3.4 6.64,3.99
RO_3 on BOTTOM (solid shape): 110.53,4.32 110.56,4.44 110.68,4.47 111.84,3.99 111.62,3.38 111.01,3.16
UART1_TX on BOTTOM (solid shape): 111.62,25.42 111.84,24.81 110.68,24.33 110.56,24.36 110.53,24.48 111.01,25.64
UART2_RX on BOTTOM (solid shape): 5.47,24.48 5.44,24.36 5.32,24.33 4.16,24.81 4.38,25.42 4.99,25.64
UART2_TX on BOTTOM (solid shape): 7.54,25.51 7.61,25.4 7.54,25.3 6.64,24.93 6.37,25.4 6.64,25.88
N16802585 on TOP (solid shape): 92.07,20.37 92.23,20.46 92.39,20.37 92.74,19.5 92.23,19.01 91.72,19.5
N16802585 on TOP (solid shape): 92.74,20.14 92.39,19.27 92.23,19.18 92.07,19.27 91.72,20.14 92.23,20.63
N16802585 on TOP (solid shape): 93.62,19.52 93.78,19.37 93.7,19.16 92.5,18.67 92.18,19.05 91.72,19.5
N16806970 on TOP (solid shape): 31.68,4.32 31.26,3.29 31.03,3.14 30.79,3.29 30.37,4.32 31.03,4.68
N16808479 on TOP (solid shape): 30.49,39.58 29.9,38.14 29.79,38.07 29.69,38.14 29.09,39.58 29.79,39.9
N16808481 on TOP (solid shape): 33.03,39.58 32.44,38.14 32.33,38.07 32.23,38.14 31.63,39.58 32.33,39.9
N16808483 on TOP (solid shape): 38.11,39.58 37.52,38.14 37.41,38.07 37.31,38.14 36.71,39.58 37.41,39.9
N16808485 on TOP (solid shape): 35.57,39.58 34.98,38.14 34.87,38.07 34.77,38.14 34.17,39.58 34.87,39.9
N16808579 on TOP (solid shape): 64.99,25.77 64.96,25.65 64.84,25.63 64.01,26.1 64.24,26.44 64.52,26.73
N16822661 on TOP (solid shape): 90.43,19.06 89.89,18.61 89.04,18.96 88.98,19.06 89.04,19.16 89.89,19.5
N16899304 on TOP (solid shape): 45.39,11.85 45.47,11.67 45.39,11.49 44.76,11.22 44.31,11.67 44.76,12.11
N17049079 on TOP (solid shape): 61.47,42.89 60.94,41.6 60.84,41.54 60.73,41.6 60.2,42.89 60.84,43.3
N17049250 on TOP (solid shape): 58.8,42.89 58.27,41.6 58.17,41.54 58.06,41.6 57.53,42.89 58.17,43.3
N17097179 on TOP (solid shape): 41.14,16 41.39,15.92 41.43,15.67 40.62,14.23 40.26,14.82 39.99,15.5
N17102898 on TOP (solid shape): 91.91,14.52 92.2,13.84 91.5,13.41 91.31,13.45 91.25,13.63 91.68,14.66
N17105599 on TOP (solid shape): 63.64,10.98 63.83,10.94 63.89,10.75 63.47,9.72 63.23,9.86 62.94,10.54

Small or netless copper shapes (teardrops, artwork), in the pictures only: 349 on TOP, 60 on BOTTOM

## Text on the board
Ref Des/Silkscreen Bottom: GND | VCC
User.Comments: R26 | R25 | R23 | R22 | R21 | R19 | R16 | R15 | C29 | R78 | R66 | R69 | R11 | R62 | R10 | C41 | R17 | RNTC1 | C58 | R90 | C50 | C52 | C49 | C8 | R65 | R64 | R67 | R79 | C3 | R5 | R7 | C12 | C23 | C30 | R1 | R2 | R44 | R35 | C44 | R36 | R40 | C45 | R68 | R41 | R34 | R37 | R31 | R48 | R46 | R54 | R50 | R47 | R30 | C15 | R76 | C60 | C11 | R77 | C62 | TVS3 | FUSE1 | FUSE2 | M1 | M2 | MASK1 | C27 | L1 | U3 | R75 | R73 | R72 | F2 | MASK3 | C39 | R81 | TVS1 | C10 | C33 | R9 | C13 | U2 | R63 | LCD1 | U4 | Y1 | R61 | R3 | C31 | MCU_PROG1 | C38 | R4 | C36 | PROG1 | AVALON | R6 | U1 | R70 | U7 | C48 | 20150824 | R14 | Q2 | C5 | C21 | C17 | C6 | C1 | C35 | MCULED | R43 | D1 | USB1 | R42 | By ngzhang | R84 | R80 | C55 | Q1 | R49 | MASK2 | C18 | C20 | C19 | C7 | C2 | C22 | C40 | LED1 | D2 | C14 | R45 | R53 | U5 | D3 | D6 | D4 | D8 | FB1 | FB3 | D5 | C59 | FB4 | FB2 | M4 | C34 | M3 | P2 | JTAG1 | R71 | DONE | C54 | FPGALED | PWRLED | C28 | + | U9 | C32 | F1 | U6 | R18 | C37 | C9 | R8 | R12 | C25 | C24 | C26 | U8 | C47 | R52 | R39 | R57 | R60 | R58 | R56 | R55 | R91 | R87 | R32 | C43 | R24 | R20 | R27 | R29 | C42 | DATA1 | R28 | R38 | R33 | C4 | C46 | DATA2 | C63 | C64 | R51 | C51 | DATA3 | D9 | R82 | R85 | R88 | C56 | C65 | R59 | C16 | C53 | DATA4 | D10 | R83 | MASK5 | R86 | R89 | C61 | C57 | P1 | TVS2 | MASK4 | R74 | R13 | Avalon Ctrl Unit | 12V I/O | 5.1 | IIC_LINK2 | IIC_LINK1 | 1 | 2 | 3 | 4 | FAN1 | FAN2 | ----> | ^ | +/- | 100
Ref Des/Silkscreen Top: MM-DA-JBI03-492P | 1 | 3
User.6: 10 | 1 | 8 | SOT | 4 | 5 | Y | 9 | PCB EDGE | 6 | 3 | 25 | 16 | A | 20 | 2 | 19 | 14 | 7
User.7: 10 | 27 | 5 | 20 | 70 | 65 | 80 | 100 | 37 | 47
User.9: D | E | F | MM7-X22_V1.1_161115 | D23 | D21 | D22 | D20 | 2 | 6 | CON1 | 1 | FB2 | 4 | FB4 | F2 | DEBUGPORT1 | JTAG1 | PCB EDGE | C30 | R54 | R52 | R53 | 5 | C46 | C42 | D13 | LCD1 | TVS2 | R16 | FAN1 | C49 | 8 | U4 | C35 | F1 | R17 | 10 | LED1 | C55 | C50 | U7 | Q1 | C51 | 3 | LED4 | LED2 | R57 | R29 | R30 | R31 | C8 | C7 | R40 | C15 | R33 | C17 | R51 | U3 | R10 | LED3 | C16 | IIC2 | C38 | U1 | C27 | R14 | R15 | U2 | IIC1 | TVS3 | R56 | C52 | U6 | RC100 | RC101 | Y1 | C26 | R13 | R12 | C39 | R43 | C9 | C6 | C10 | C12 | R11 | C24 | C11 | C23 | C44 | RC102 | R44 | C29 | RC103 | R45 | R46 | R47 | C28 | TVS1 | C43 | R48 | C31 | C41 | R19 | C45 | C40 | C47 | R49 | C48 | R50 | L1 | R22 | R21 | R431 | R26 | R7 | C36 | R5 | R24 | R3 | R430 | D1 | R18 | R32 | R28 | U5 | PS2 | R55 | PS1 | R6 | R4 | C4 | R1 | C22 | R2 | C21 | D2 | C20 | R9 | C3 | C5 | C19 | C14 | C25 | C13 | C53 | C18 | R8 | R58 | C2 | SW1 | C1 | FB1 | A | B | C
User.11: FIGURE | SIZE | 10.0 | 12.0 | 35.0 | 40.0 | 126.0 | 166.0x126.0 | DRILL CHART: TOP to BOTTOM | ALL UNITS ARE IN MILS | PLATED | NON-PLATED | QTY | 631 | 16 | 62 | 2 | 36 | 1
